# Altium PCB SOM Board with RK3399.PcbDoc (part 4 of 5) (continued)
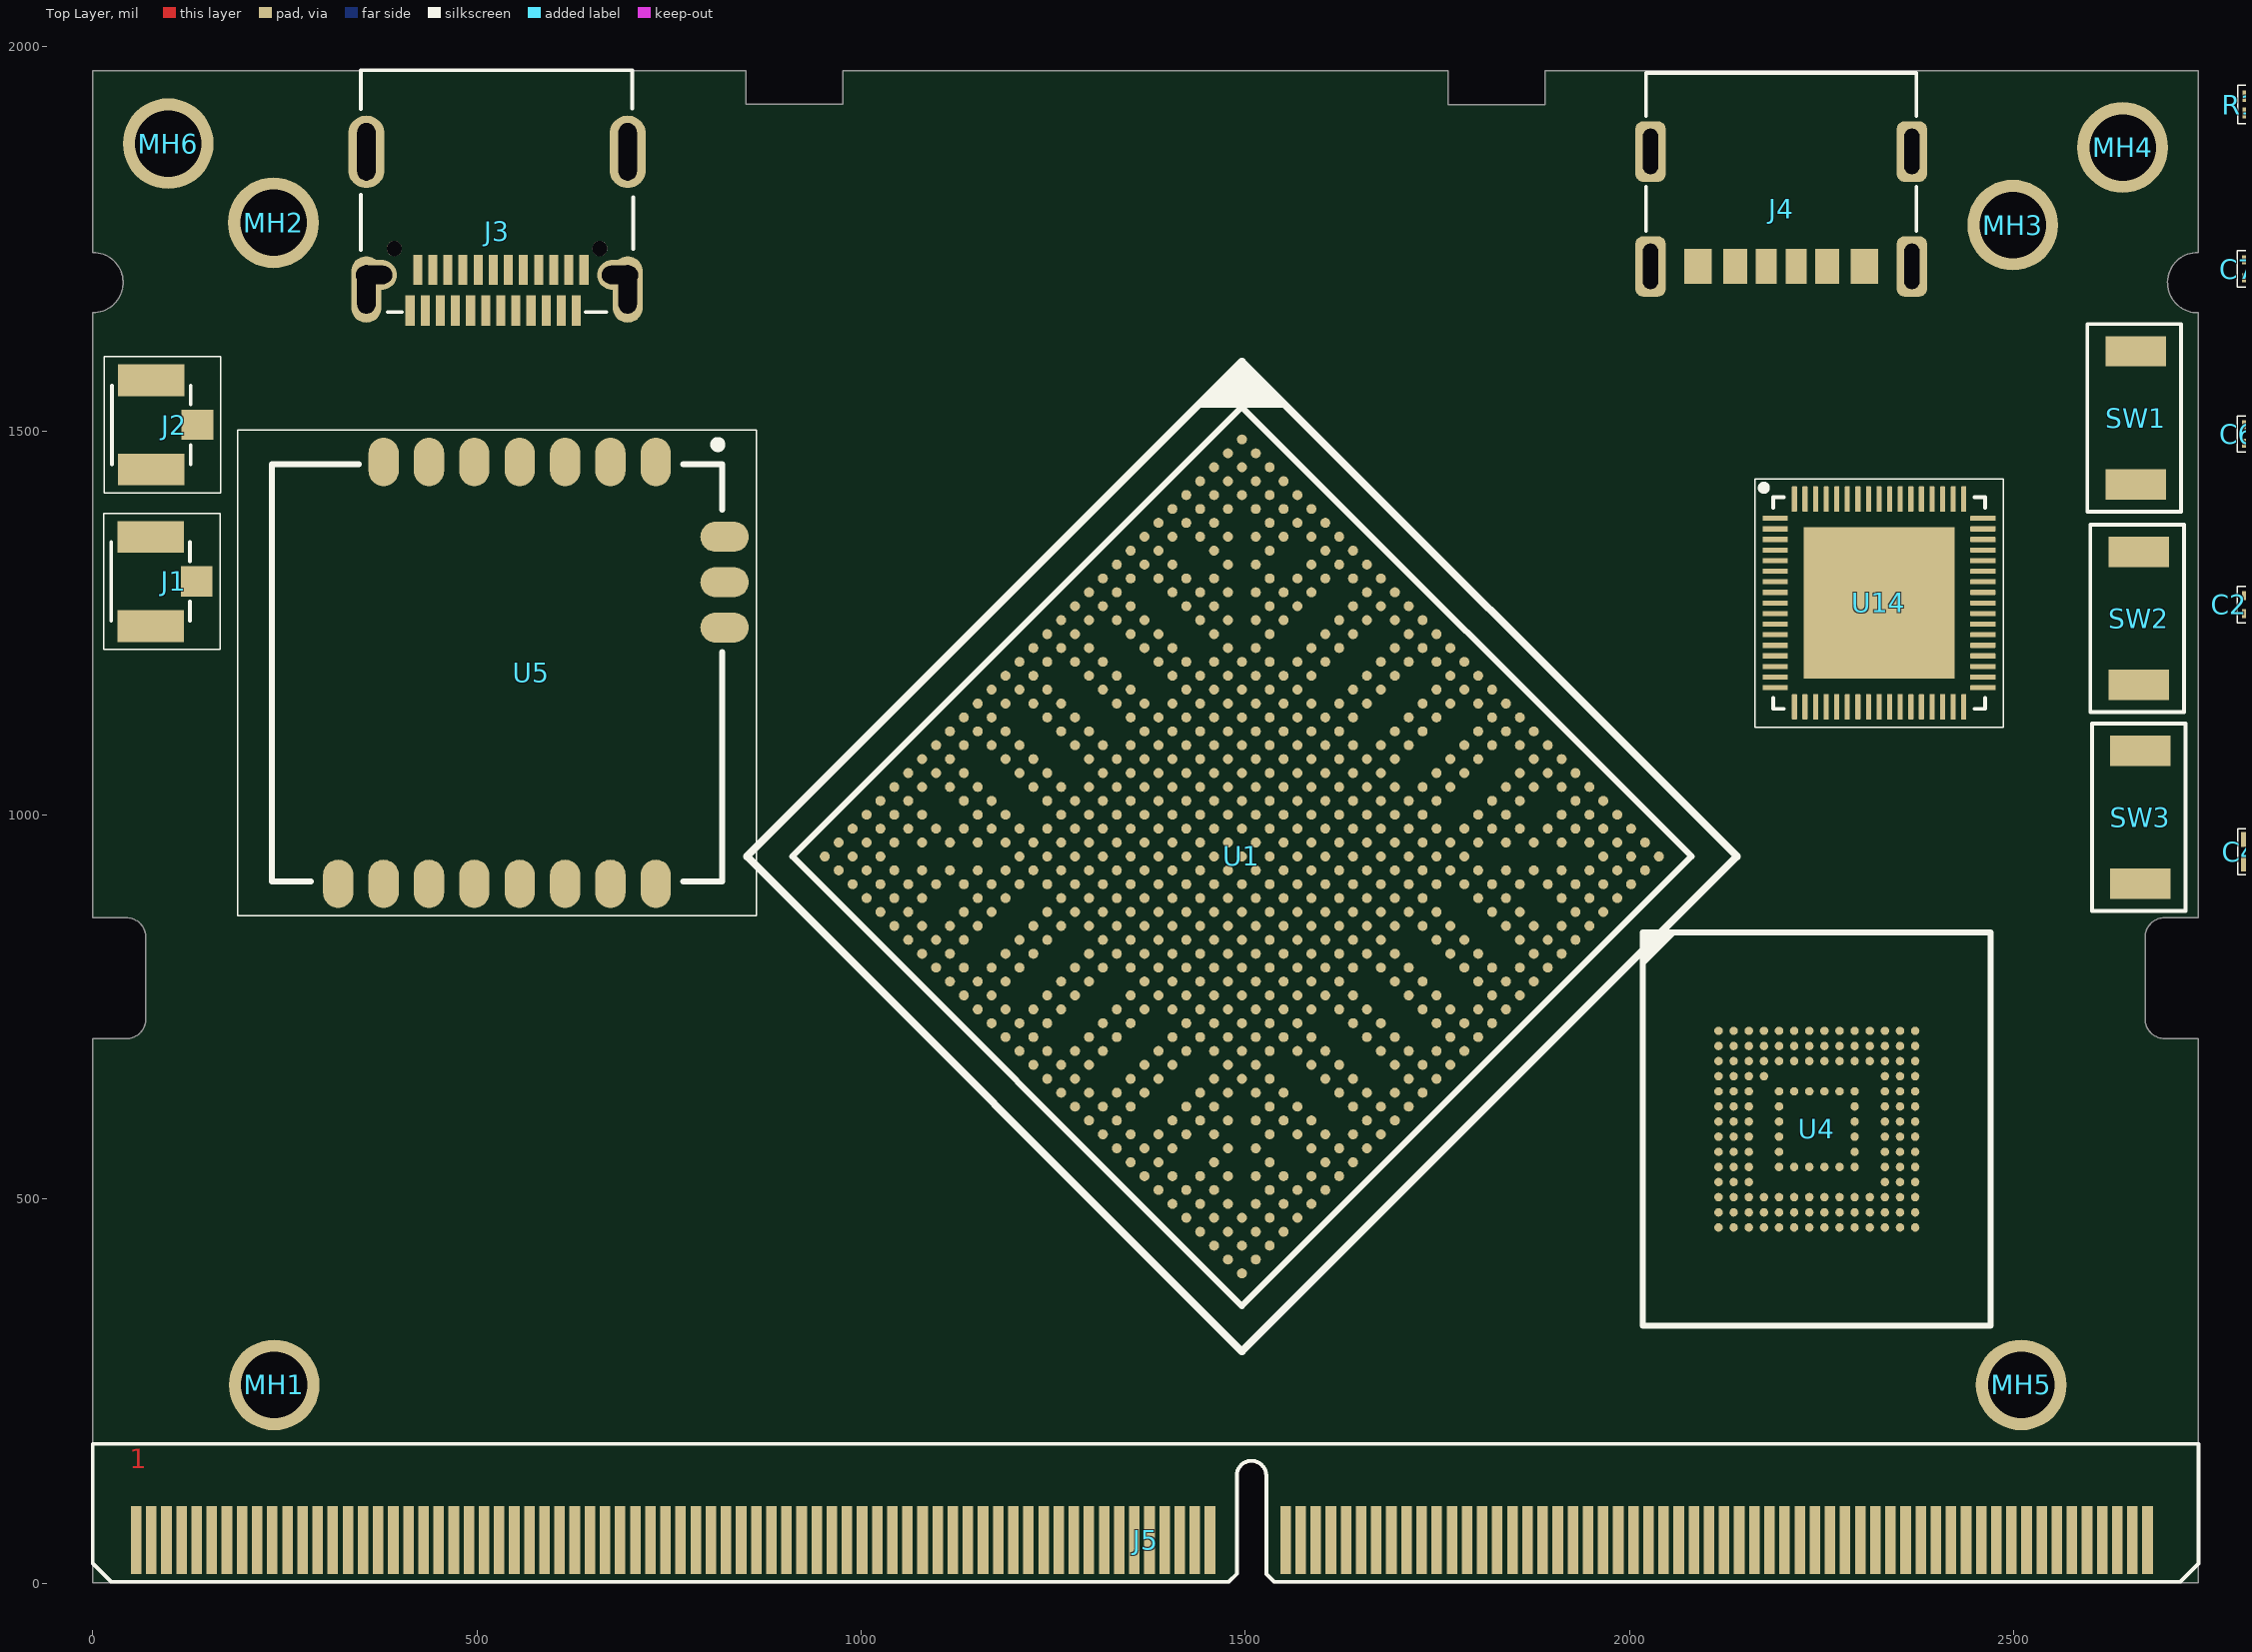
[diagram p0: Top Layer view]
## Free pads (board coordinates) (continued)
1(2460.54,11.96) 1(2460.54,11.96) 1(2460.54,100.96) 1(2460.54,100.96) 1(2474.54,11.96) 1(2474.54,11.96) 1(2474.54,100.96) 1(2474.54,100.96) 1(2480.23,11.96) 1(2480.23,11.96) 1(2480.23,100.96) 1(2480.23,100.96) 1(2494.23,11.96) 1(2494.23,11.96) 1(2494.23,100.96) 1(2494.23,100.96) 1(2499.91,11.96) 1(2499.91,11.96) 1(2499.91,100.96) 1(2499.91,100.96) 1(2513.91,11.96) 1(2513.91,11.96) 1(2513.91,100.96) 1(2513.91,100.96) 1(2519.6,11.96) 1(2519.6,11.96) 1(2519.6,100.96) 1(2519.6,100.96) 1(2533.6,11.96) 1(2533.6,11.96) 1(2533.6,100.96) 1(2533.6,100.96) 1(2539.28,11.96) 1(2539.28,11.96) 1(2539.28,100.96) 1(2539.28,100.96) 1(2544.31,1181.28) 1(2544.31,1181.28) 1(2544.31,1204.9) 1(2544.31,1204.9) 1(2544.31,1218.68) 1(2544.31,1218.68) 1(2544.31,1277.73) 1(2544.31,1277.73) 1(2544.31,1289.54) 1(2544.31,1289.54) 1(2544.31,1336.79) 1(2544.31,1336.79) 1(2544.31,1348.6) 1(2544.31,1348.6) 1(2544.31,1407.65) 1(2544.31,1407.65) 1(2544.31,1421.43) 1(2544.31,1421.43) 1(2544.31,1445.06) 1(2544.31,1445.06) 1(2545.31,570.28) 1(2545.31,570.28) 1(2545.31,593.9) 1(2545.31,593.9) 1(2545.31,810.43) 1(2545.31,810.43) 1(2545.31,834.06) 1(2545.31,834.06) 1(2545.31,607.68) 1(2545.31,607.68) 1(2545.31,666.73) 1(2545.31,666.73) 1(2545.31,678.54) 1(2545.31,678.54) 1(2545.31,725.79) 1(2545.31,725.79) 1(2545.31,737.6) 1(2545.31,737.6) 1(2545.31,796.65) 1(2545.31,796.65) 1(2553.28,11.96) 1(2553.28,11.96) 1(2553.28,100.96) 1(2553.28,100.96) 1(2558.97,11.96) 1(2558.97,11.96) 1(2558.97,100.96) 1(2558.97,100.96) 1(2563.02,1870.24) 1(2572.97,11.96) 1(2572.97,11.96) 1(2572.97,100.96) 1(2572.97,100.96) 1(2578.65,11.96) 1(2578.65,11.96) 1(2578.65,100.96) 1(2578.65,100.96) 1(2579.74,1181.28) 1(2579.74,1181.28) 1(2579.74,1204.9) 1(2579.74,1204.9) 1(2579.74,1218.68) 1(2579.74,1218.68) 1(2579.74,1277.73) 1(2579.74,1277.73) 1(2579.74,1289.54) 1(2579.74,1289.54) 1(2579.74,1336.79) 1(2579.74,1336.79) 1(2579.74,1348.6) 1(2579.74,1348.6) 1(2579.74,1407.65) 1(2579.74,1407.65) 1(2579.74,1421.43) 1(2579.74,1421.43) 1(2579.74,1445.06) 1(2579.74,1445.06) 1(2580.74,570.28) 1(2580.74,570.28) 1(2580.74,593.9) 1(2580.74,593.9) 1(2580.74,810.43) 1(2580.74,810.43) 1(2580.74,834.06) 1(2580.74,834.06) 1(2580.74,607.68) 1(2580.74,607.68) 1(2580.74,666.73) 1(2580.74,666.73) 1(2580.74,678.54) 1(2580.74,678.54) 1(2580.74,725.79) 1(2580.74,725.79) 1(2580.74,737.6) 1(2580.74,737.6) 1(2580.74,796.65) 1(2580.74,796.65) 1(2582.66,1771.47) 1(2592.65,11.96) 1(2592.65,11.96) 1(2592.65,100.96) 1(2592.65,100.96) 1(2598.34,11.96) 1(2598.34,11.96) 1(2598.34,100.96) 1(2598.34,100.96) 1(2607.02,1733.17) 1(2612.34,11.96) 1(2612.34,11.96) 1(2612.34,100.96) 1(2612.34,100.96) 1(2618.02,11.96) 1(2618.02,11.96) 1(2618.02,100.96) 1(2618.02,100.96) 1(2624.02,417.17) 1(2626.01,236.39) 1(2632.02,11.96) 1(2632.02,11.96) 1(2632.02,100.96) 1(2632.02,100.96) 1(2637.71,11.96) 1(2637.71,11.96) 1(2637.71,100.96) 1(2637.71,100.96) 1(2651.71,11.96) 1(2651.71,11.96) 1(2651.71,100.96) 1(2651.71,100.96) 1(2657.02,1733.17) 1(2657.39,11.96) 1(2657.39,11.96) 1(2657.39,100.96) 1(2657.39,100.96) 1(2671.39,11.96) 1(2671.39,11.96) 1(2671.39,100.96) 1(2671.39,100.96) 1(2674.02,417.17) 1(2677.08,11.96) 1(2677.08,11.96) 1(2677.08,100.96) 1(2677.08,100.96) 1(2691.08,11.96) 1(2691.08,11.96) 1(2691.08,100.96) 1(2691.08,100.96) 1(2696.87,236.39) 1(2720.5,1870.24)
  round 0.5 on Mech5: 1(19.15,1870.24) 1(43.02,370.17) 1(43.33,236.39) 1(49.13,11.96) 1(49.13,11.96) 1(49.13,100.96) 1(49.13,100.96) 1(63.13,11.96) 1(63.13,11.96) 1(63.13,100.96) 1(63.13,100.96) 1(68.81,11.96) 1(68.81,11.96) 1(68.81,100.96) 1(68.81,100.96) 1(82.81,11.96) 1(82.81,11.96) 1(82.81,100.96) 1(82.81,100.96) 1(87.02,1728.17) 1(88.5,11.96) 1(88.5,11.96) 1(88.5,100.96) 1(88.5,100.96) 1(93.02,370.17) 1(102.5,11.96) 1(102.5,11.96) 1(102.5,100.96) 1(102.5,100.96) 1(108.18,11.96) 1(108.18,11.96) 1(108.18,100.96) 1(108.18,100.96) 1(114.2,236.39) 1(122.18,11.96) 1(122.18,11.96) 1(122.18,100.96) 1(122.18,100.96) 1(127.87,11.96) 1(127.87,11.96) 1(127.87,100.96) 1(127.87,100.96) 1(137.02,1728.17) 1(141.87,11.96) 1(141.87,11.96) 1(141.87,100.96) 1(141.87,100.96) 1(147.55,11.96) 1(147.55,11.96) 1(147.55,100.96) 1(147.55,100.96) 1(157.48,244.07) 1(157.48,1771.87) 1(161.55,11.96) 1(161.55,11.96) 1(161.55,100.96) 1(161.55,100.96) 1(167.24,11.96) 1(167.24,11.96) 1(167.24,100.96) 1(167.24,100.96) 1(176.63,1870.24) 1(181.24,11.96) 1(181.24,11.96) 1(181.24,100.96) 1(181.24,100.96) 1(186.92,11.96) 1(186.92,11.96) 1(186.92,100.96) 1(186.92,100.96) 1(200.92,11.96) 1(200.92,11.96) 1(200.92,100.96) 1(200.92,100.96) 1(206.61,11.96) 1(206.61,11.96) 1(206.61,100.96) 1(206.61,100.96) 1(220.61,11.96) 1(220.61,11.96) 1(220.61,100.96) 1(220.61,100.96) 1(226.29,11.96) 1(226.29,11.96) 1(226.29,100.96) 1(226.29,100.96) 1(240.29,11.96) 1(240.29,11.96) 1(240.29,100.96) 1(240.29,100.96) 1(245.98,11.96) 1(245.98,11.96) 1(245.98,100.96) 1(245.98,100.96) 1(259.98,11.96) 1(259.98,11.96) 1(259.98,100.96) 1(259.98,100.96) 1(265.66,11.96) 1(265.66,11.96) 1(265.66,100.96) 1(265.66,100.96) 1(279.66,11.96) 1(279.66,11.96) 1(279.66,100.96) 1(279.66,100.96) 1(285.35,11.96) 1(285.35,11.96) 1(285.35,100.96) 1(285.35,100.96) 1(299.35,11.96) 1(299.35,11.96) 1(299.35,100.96) 1(299.35,100.96) 1(305.03,11.96) 1(305.03,11.96) 1(305.03,100.96) 1(305.03,100.96) 1(314.96,244.07) 1(314.96,1771.87) 1(319.03,11.96) 1(319.03,11.96) 1(319.03,100.96) 1(319.03,100.96) 1(324.72,11.96) 1(324.72,11.96) 1(324.72,100.96) 1(324.72,100.96) 1(338.72,11.96) 1(338.72,11.96) 1(338.72,100.96) 1(338.72,100.96) 1(344.4,11.96) 1(344.4,11.96) 1(344.4,100.96) 1(344.4,100.96) 1(358.4,11.96) 1(358.4,11.96) 1(358.4,100.96) 1(358.4,100.96) 1(364.09,11.96) 1(364.09,11.96) 1(364.09,100.96) 1(364.09,100.96) 1(378.09,11.96) 1(378.09,11.96) 1(378.09,100.96) 1(378.09,100.96) 1(383.77,11.96) 1(383.77,11.96) 1(383.77,100.96) 1(383.77,100.96) 1(397.77,11.96) 1(397.77,11.96) 1(397.77,100.96) 1(397.77,100.96) 1(403.46,11.96) 1(403.46,11.96) 1(403.46,100.96) 1(403.46,100.96) 1(417.46,11.96) 1(417.46,11.96) 1(417.46,100.96) 1(417.46,100.96) 1(423.14,11.96) 1(423.14,11.96) 1(423.14,100.96) 1(423.14,100.96) 1(437.14,11.96) 1(437.14,11.96) 1(437.14,100.96) 1(437.14,100.96) 1(442.83,11.96) 1(442.83,11.96) 1(442.83,100.96) 1(442.83,100.96) 1(456.83,11.96) 1(456.83,11.96) 1(456.83,100.96) 1(456.83,100.96) 1(462.51,11.96) 1(462.51,11.96) 1(462.51,100.96) 1(462.51,100.96) 1(476.51,11.96) 1(476.51,11.96) 1(476.51,100.96) 1(476.51,100.96) 1(482.2,11.96) 1(482.2,11.96) 1(482.2,100.96) 1(482.2,100.96) 1(496.2,11.96) 1(496.2,11.96) 1(496.2,100.96) 1(496.2,100.96) 1(501.88,11.96) 1(501.88,11.96) 1(501.88,100.96) 1(501.88,100.96) 1(515.88,11.96) 1(515.88,11.96) 1(515.88,100.96) 1(515.88,100.96) 1(521.57,11.96) 1(521.57,11.96) 1(521.57,100.96) 1(521.57,100.96) 1(535.57,11.96) 1(535.57,11.96) 1(535.57,100.96) 1(535.57,100.96) 1(541.25,11.96) 1(541.25,11.96) 1(541.25,100.96) 1(541.25,100.96) 1(555.25,11.96) 1(555.25,11.96) 1(555.25,100.96) 1(555.25,100.96) 1(560.94,11.96) 1(560.94,11.96) 1(560.94,100.96) 1(560.94,100.96) 1(574.94,11.96) 1(574.94,11.96) 1(574.94,100.96) 1(574.94,100.96) 1(580.62,11.96) 1(580.62,11.96) 1(580.62,100.96) 1(580.62,100.96) 1(594.62,11.96) 1(594.62,11.96) 1(594.62,100.96) 1(594.62,100.96) 1(600.31,11.96) 1(600.31,11.96) 1(600.31,100.96) 1(600.31,100.96) 1(614.31,11.96) 1(614.31,11.96) 1(614.31,100.96) 1(614.31,100.96) 1(619.99,11.96) 1(619.99,11.96) 1(619.99,100.96) 1(619.99,100.96) 1(633.99,11.96) 1(633.99,11.96) 1(633.99,100.96) 1(633.99,100.96) 1(639.68,11.96) 1(639.68,11.96) 1(639.68,100.96) 1(639.68,100.96) 1(653.68,11.96) 1(653.68,11.96) 1(653.68,100.96) 1(653.68,100.96) 1(659.36,11.96) 1(659.36,11.96) 1(659.36,100.96) 1(659.36,100.96) 1(673.36,11.96) 1(673.36,11.96) 1(673.36,100.96) 1(673.36,100.96) 1(679.05,11.96) 1(679.05,11.96) 1(679.05,100.96) 1(679.05,100.96) 1(693.05,11.96) 1(693.05,11.96) 1(693.05,100.96) 1(693.05,100.96) 1(698.73,11.96) 1(698.73,11.96) 1(698.73,100.96) 1(698.73,100.96) 1(712.73,11.96) 1(712.73,11.96) 1(712.73,100.96) 1(712.73,100.96) 1(718.42,11.96) 1(718.42,11.96) 1(718.42,100.96) 1(718.42,100.96) 1(732.42,11.96) 1(732.42,11.96) 1(732.42,100.96) 1(732.42,100.96) 1(738.1,11.96) 1(738.1,11.96) 1(738.1,100.96) 1(738.1,100.96) 1(752.1,11.96) 1(752.1,11.96) 1(752.1,100.96) 1(752.1,100.96) 1(757.79,11.96) 1(757.79,11.96) 1(757.79,100.96) 1(757.79,100.96) 1(771.79,11.96) 1(771.79,11.96) 1(771.79,100.96) 1(771.79,100.96) 1(777.47,11.96) 1(777.47,11.96) 1(777.47,100.96) 1(777.47,100.96) 1(791.47,11.96) 1(791.47,11.96) 1(791.47,100.96) 1(791.47,100.96) 1(797.16,11.96) 1(797.16,11.96) 1(797.16,100.96) 1(797.16,100.96) 1(811.16,11.96) 1(811.16,11.96) 1(811.16,100.96) 1(811.16,100.96) 1(816.84,11.96) 1(816.84,11.96) 1(816.84,100.96) 1(816.84,100.96) 1(830.84,11.96) 1(830.84,11.96) 1(830.84,100.96) 1(830.84,100.96) 1(836.53,11.96) 1(836.53,11.96) 1(836.53,100.96) 1(836.53,100.96) 1(850.53,11.96) 1(850.53,11.96) 1(850.53,100.96) 1(850.53,100.96) 1(856.21,11.96) 1(856.21,11.96) 1(856.21,100.96) 1(856.21,100.96) 1(870.21,11.96) 1(870.21,11.96) 1(870.21,100.96) 1(870.21,100.96) 1(875.9,11.96) 1(875.9,11.96) 1(875.9,100.96) 1(875.9,100.96) 1(889.9,11.96) 1(889.9,11.96) 1(889.9,100.96) 1(889.9,100.96) 1(895.58,11.96) 1(895.58,11.96) 1(895.58,100.96) 1(895.58,100.96) 1(909.58,11.96) 1(909.58,11.96) 1(909.58,100.96) 1(909.58,100.96) 1(915.27,11.96) 1(915.27,11.96) 1(915.27,100.96) 1(915.27,100.96) 1(929.27,11.96) 1(929.27,11.96) 1(929.27,100.96) 1(929.27,100.96) 1(934.95,11.96) 1(934.95,11.96) 1(934.95,100.96) 1(934.95,100.96) 1(948.95,11.96) 1(948.95,11.96) 1(948.95,100.96) 1(948.95,100.96) 1(954.64,11.96) 1(954.64,11.96) 1(954.64,100.96) 1(954.64,100.96) 1(968.64,11.96) 1(968.64,11.96) 1(968.64,100.96) 1(968.64,100.96) 1(974.32,11.96) 1(974.32,11.96) 1(974.32,100.96) 1(974.32,100.96) 1(988.32,11.96) 1(988.32,11.96) 1(988.32,100.96) 1(988.32,100.96) 1(994.01,11.96) 1(994.01,11.96) 1(994.01,100.96) 1(994.01,100.96) 1(1008.01,11.96) 1(1008.01,11.96) 1(1008.01,100.96) 1(1008.01,100.96) 1(1013.69,11.96) 1(1013.69,11.96) 1(1013.69,100.96) 1(1013.69,100.96) 1(1027.69,11.96) 1(1027.69,11.96) 1(1027.69,100.96) 1(1027.69,100.96) 1(1033.38,11.96) 1(1033.38,11.96) 1(1033.38,100.96) 1(1033.38,100.96) 1(1047.38,11.96) 1(1047.38,11.96) 1(1047.38,100.96) 1(1047.38,100.96) 1(1053.06,11.96) 1(1053.06,11.96) 1(1053.06,100.96) 1(1053.06,100.96) 1(1067.06,11.96) 1(1067.06,11.96) 1(1067.06,100.96) 1(1067.06,100.96) 1(1072.75,11.96) 1(1072.75,11.96) 1(1072.75,100.96) 1(1072.75,100.96) 1(1086.75,11.96) 1(1086.75,11.96) 1(1086.75,100.96) 1(1086.75,100.96) 1(1092.43,11.96) 1(1092.43,11.96) 1(1092.43,100.96) 1(1092.43,100.96) 1(1106.43,11.96) 1(1106.43,11.96) 1(1106.43,100.96) 1(1106.43,100.96) 1(1112.12,11.96) 1(1112.12,11.96) 1(1112.12,100.96) 1(1112.12,100.96) 1(1126.12,11.96) 1(1126.12,11.96) 1(1126.12,100.96) 1(1126.12,100.96) 1(1131.8,11.96) 1(1131.8,11.96) 1(1131.8,100.96) 1(1131.8,100.96) 1(1145.8,11.96) 1(1145.8,11.96) 1(1145.8,100.96) 1(1145.8,100.96) 1(1151.49,11.96) 1(1151.49,11.96) 1(1151.49,100.96) 1(1151.49,100.96) 1(1165.49,11.96) 1(1165.49,11.96) 1(1165.49,100.96) 1(1165.49,100.96) 1(1171.17,11.96) 1(1171.17,11.96) 1(1171.17,100.96) 1(1171.17,100.96) 1(1185.17,11.96) 1(1185.17,11.96) 1(1185.17,100.96) 1(1185.17,100.96) 1(1190.86,11.96) 1(1190.86,11.96) 1(1190.86,100.96) 1(1190.86,100.96) 1(1204.86,11.96) 1(1204.86,11.96) 1(1204.86,100.96) 1(1204.86,100.96) 1(1210.54,11.96) 1(1210.54,11.96) 1(1210.54,100.96) 1(1210.54,100.96) 1(1224.54,11.96) 1(1224.54,11.96) 1(1224.54,100.96) 1(1224.54,100.96) 1(1230.23,11.96) 1(1230.23,11.96) 1(1230.23,100.96) 1(1230.23,100.96) 1(1244.23,11.96) 1(1244.23,11.96) 1(1244.23,100.96) 1(1244.23,100.96) 1(1249.91,11.96) 1(1249.91,11.96) 1(1249.91,100.96) 1(1249.91,100.96) 1(1263.91,11.96) 1(1263.91,11.96) 1(1263.91,100.96) 1(1263.91,100.96) 1(1269.6,11.96) 1(1269.6,11.96) 1(1269.6,100.96) 1(1269.6,100.96) 1(1283.6,11.96) 1(1283.6,11.96) 1(1283.6,100.96) 1(1283.6,100.96) 1(1289.28,11.96) 1(1289.28,11.96) 1(1289.28,100.96) 1(1289.28,100.96) 1(1303.28,11.96) 1(1303.28,11.96) 1(1303.28,100.96) 1(1303.28,100.96) 1(1308.97,11.96) 1(1308.97,11.96) 1(1308.97,100.96) 1(1308.97,100.96) 1(1322.97,11.96) 1(1322.97,11.96) 1(1322.97,100.96) 1(1322.97,100.96) 1(1328.65,11.96) 1(1328.65,11.96) 1(1328.65,100.96) 1(1328.65,100.96) 1(1342.65,11.96) 1(1342.65,11.96) 1(1342.65,100.96) 1(1342.65,100.96) 1(1348.34,11.96) 1(1348.34,11.96) 1(1348.34,100.96) 1(1348.34,100.96) 1(1362.34,11.96) 1(1362.34,11.96) 1(1362.34,100.96) 1(1362.34,100.96) 1(1368.02,11.96) 1(1368.02,11.96) 1(1368.02,100.96) 1(1368.02,100.96) 1(1382.02,11.96) 1(1382.02,11.96) 1(1382.02,100.96) 1(1382.02,100.96) 1(1387.71,11.96) 1(1387.71,11.96) 1(1387.71,100.96) 1(1387.71,100.96) 1(1401.71,11.96) 1(1401.71,11.96) 1(1401.71,100.96) 1(1401.71,100.96) 1(1407.39,11.96) 1(1407.39,11.96) 1(1407.39,100.96) 1(1407.39,100.96) 1(1421.39,11.96) 1(1421.39,11.96) 1(1421.39,100.96) 1(1421.39,100.96) 1(1427.08,11.96) 1(1427.08,11.96) 1(1427.08,100.96) 1(1427.08,100.96) 1(1441.08,11.96) 1(1441.08,11.96) 1(1441.08,100.96) 1(1441.08,100.96) 1(1446.76,11.96) 1(1446.76,11.96) 1(1446.76,100.96) 1(1446.76,100.96) 1(1460.76,11.96) 1(1460.76,11.96) 1(1460.76,100.96) 1(1460.76,100.96) 1(1545.19,11.96) 1(1545.19,11.96) 1(1545.19,100.96) 1(1545.19,100.96) 1(1559.19,11.96) 1(1559.19,11.96) 1(1559.19,100.96) 1(1559.19,100.96) 1(1564.87,11.96) 1(1564.87,11.96) 1(1564.87,100.96) 1(1564.87,100.96) 1(1578.87,11.96) 1(1578.87,11.96) 1(1578.87,100.96) 1(1578.87,100.96) 1(1584.56,11.96) 1(1584.56,11.96) 1(1584.56,100.96) 1(1584.56,100.96) 1(1598.56,11.96) 1(1598.56,11.96) 1(1598.56,100.96) 1(1598.56,100.96) 1(1604.24,11.96) 1(1604.24,11.96) 1(1604.24,100.96) 1(1604.24,100.96) 1(1618.24,11.96) 1(1618.24,11.96) 1(1618.24,100.96) 1(1618.24,100.96) 1(1623.93,11.96) 1(1623.93,11.96) 1(1623.93,100.96) 1(1623.93,100.96) 1(1637.93,11.96) 1(1637.93,11.96) 1(1637.93,100.96) 1(1637.93,100.96) 1(1643.61,11.96) 1(1643.61,11.96) 1(1643.61,100.96) 1(1643.61,100.96) 1(1657.61,11.96) 1(1657.61,11.96) 1(1657.61,100.96) 1(1657.61,100.96) 1(1663.3,11.96) 1(1663.3,11.96) 1(1663.3,100.96) 1(1663.3,100.96) 1(1677.3,11.96) 1(1677.3,11.96) 1(1677.3,100.96) 1(1677.3,100.96) 1(1682.98,11.96) 1(1682.98,11.96) 1(1682.98,100.96) 1(1682.98,100.96) 1(1696.98,11.96) 1(1696.98,11.96) 1(1696.98,100.96) 1(1696.98,100.96) 1(1702.67,11.96) 1(1702.67,11.96) 1(1702.67,100.96) 1(1702.67,100.96) 1(1716.67,11.96) 1(1716.67,11.96) 1(1716.67,100.96) 1(1716.67,100.96) 1(1722.35,11.96) 1(1722.35,11.96) 1(1722.35,100.96) 1(1722.35,100.96) 1(1736.35,11.96) 1(1736.35,11.96) 1(1736.35,100.96) 1(1736.35,100.96) 1(1742.04,11.96) 1(1742.04,11.96) 1(1742.04,100.96) 1(1742.04,100.96) 1(1756.04,11.96) 1(1756.04,11.96) 1(1756.04,100.96) 1(1756.04,100.96) 1(1761.72,11.96) 1(1761.72,11.96) 1(1761.72,100.96) 1(1761.72,100.96) 1(1775.72,11.96) 1(1775.72,11.96) 1(1775.72,100.96) 1(1775.72,100.96) 1(1781.41,11.96) 1(1781.41,11.96) 1(1781.41,100.96) 1(1781.41,100.96) 1(1795.41,11.96) 1(1795.41,11.96) 1(1795.41,100.96) 1(1795.41,100.96) 1(1801.09,11.96) 1(1801.09,11.96) 1(1801.09,100.96) 1(1801.09,100.96) 1(1815.09,11.96) 1(1815.09,11.96) 1(1815.09,100.96) 1(1815.09,100.96) 1(1820.78,11.96) 1(1820.78,11.96) 1(1820.78,100.96) 1(1820.78,100.96) 1(1834.78,11.96) 1(1834.78,11.96) 1(1834.78,100.96) 1(1834.78,100.96) 1(1840.46,11.96) 1(1840.46,11.96) 1(1840.46,100.96) 1(1840.46,100.96) 1(1854.46,11.96) 1(1854.46,11.96) 1(1854.46,100.96) 1(1854.46,100.96) 1(1860.15,11.96) 1(1860.15,11.96) 1(1860.15,100.96) 1(1860.15,100.96) 1(1874.15,11.96) 1(1874.15,11.96) 1(1874.15,100.96) 1(1874.15,100.96) 1(1879.83,11.96) 1(1879.83,11.96) 1(1879.83,100.96) 1(1879.83,100.96) 1(1893.83,11.96) 1(1893.83,11.96) 1(1893.83,100.96) 1(1893.83,100.96) 1(1899.52,11.96) 1(1899.52,11.96) 1(1899.52,100.96) 1(1899.52,100.96) 1(1913.52,11.96) 1(1913.52,11.96) 1(1913.52,100.96) 1(1913.52,100.96) 1(1919.2,11.96) 1(1919.2,11.96) 1(1919.2,100.96) 1(1919.2,100.96) 1(1933.2,11.96) 1(1933.2,11.96) 1(1933.2,100.96) 1(1933.2,100.96) 1(1938.89,11.96) 1(1938.89,11.96) 1(1938.89,100.96) 1(1938.89,100.96) 1(1952.89,11.96) 1(1952.89,11.96) 1(1952.89,100.96) 1(1952.89,100.96) 1(1958.57,11.96) 1(1958.57,11.96) 1(1958.57,100.96) 1(1958.57,100.96) 1(1972.57,11.96) 1(1972.57,11.96) 1(1972.57,100.96) 1(1972.57,100.96) 1(1978.26,11.96) 1(1978.26,11.96) 1(1978.26,100.96) 1(1978.26,100.96) 1(1992.26,11.96) 1(1992.26,11.96) 1(1992.26,100.96) 1(1992.26,100.96) 1(1997.94,11.96) 1(1997.94,11.96) 1(1997.94,100.96) 1(1997.94,100.96) 1(2011.94,11.96) 1(2011.94,11.96) 1(2011.94,100.96) 1(2011.94,100.96) 1(2017.63,11.96) 1(2017.63,11.96) 1(2017.63,100.96) 1(2017.63,100.96) 1(2031.63,11.96) 1(2031.63,11.96) 1(2031.63,100.96) 1(2031.63,100.96) 1(2037.31,11.96) 1(2037.31,11.96) 1(2037.31,100.96) 1(2037.31,100.96) 1(2051.31,11.96) 1(2051.31,11.96) 1(2051.31,100.96) 1(2051.31,100.96) 1(2057,11.96) 1(2057,11.96) 1(2057,100.96) 1(2057,100.96) 1(2071,11.96) 1(2071,11.96) 1(2071,100.96) 1(2071,100.96) 1(2076.68,11.96) 1(2076.68,11.96) 1(2076.68,100.96) 1(2076.68,100.96) 1(2090.68,11.96) 1(2090.68,11.96) 1(2090.68,100.96) 1(2090.68,100.96) 1(2096.37,11.96) 1(2096.37,11.96) 1(2096.37,100.96) 1(2096.37,100.96) 1(2110.37,11.96) 1(2110.37,11.96) 1(2110.37,100.96) 1(2110.37,100.96) 1(2116.05,11.96) 1(2116.05,11.96) 1(2116.05,100.96) 1(2116.05,100.96) 1(2130.05,11.96) 1(2130.05,11.96) 1(2130.05,100.96) 1(2130.05,100.96) 1(2135.74,11.96) 1(2135.74,11.96) 1(2135.74,100.96) 1(2135.74,100.96) 1(2149.74,11.96) 1(2149.74,11.96) 1(2149.74,100.96) 1(2149.74,100.96) 1(2155.43,11.96) 1(2155.43,11.96) 1(2155.43,100.96) 1(2155.43,100.96) 1(2169.43,11.96) 1(2169.43,11.96) 1(2169.43,100.96) 1(2169.43,100.96) 1(2175.11,11.96) 1(2175.11,11.96) 1(2175.11,100.96) 1(2175.11,100.96) 1(2189.11,11.96) 1(2189.11,11.96) 1(2189.11,100.96) 1(2189.11,100.96) 1(2194.8,11.96) 1(2194.8,11.96) 1(2194.8,100.96) 1(2194.8,100.96) 1(2208.8,11.96) 1(2208.8,11.96) 1(2208.8,100.96) 1(2208.8,100.96) 1(2214.48,11.96) 1(2214.48,11.96) 1(2214.48,100.96) 1(2214.48,100.96) 1(2228.48,11.96) 1(2228.48,11.96) 1(2228.48,100.96) 1(2228.48,100.96) 1(2234.17,11.96) 1(2234.17,11.96) 1(2234.17,100.96) 1(2234.17,100.96) 1(2248.17,11.96) 1(2248.17,11.96) 1(2248.17,100.96) 1(2248.17,100.96) 1(2253.85,11.96) 1(2253.85,11.96) 1(2253.85,100.96) 1(2253.85,100.96) 1(2267.85,11.96) 1(2267.85,11.96) 1(2267.85,100.96) 1(2267.85,100.96) 1(2273.54,11.96) 1(2273.54,11.96) 1(2273.54,100.96) 1(2273.54,100.96) 1(2287.54,11.96) 1(2287.54,11.96) 1(2287.54,100.96) 1(2287.54,100.96) 1(2293.22,11.96) 1(2293.22,11.96) 1(2293.22,100.96) 1(2293.22,100.96) 1(2307.22,11.96) 1(2307.22,11.96) 1(2307.22,100.96) 1(2307.22,100.96) 1(2312.91,11.96) 1(2312.91,11.96) 1(2312.91,100.96) 1(2312.91,100.96) 1(2326.91,11.96) 1(2326.91,11.96) 1(2326.91,100.96) 1(2326.91,100.96) 1(2332.59,11.96) 1(2332.59,11.96) 1(2332.59,100.96) 1(2332.59,100.96) 1(2346.59,11.96) 1(2346.59,11.96) 1(2346.59,100.96) 1(2346.59,100.96) 1(2352.28,11.96) 1(2352.28,11.96) 1(2352.28,100.96) 1(2352.28,100.96) 1(2366.28,11.96) 1(2366.28,11.96) 1(2366.28,100.96) 1(2366.28,100.96) 1(2371.96,11.96) 1(2371.96,11.96) 1(2371.96,100.96) 1(2371.96,100.96) 1(2385.96,11.96) 1(2385.96,11.96) 1(2385.96,100.96) 1(2385.96,100.96) 1(2391.65,11.96) 1(2391.65,11.96) 1(2391.65,100.96) 1(2391.65,100.96) 1(2405.65,11.96) 1(2405.65,11.96) 1(2405.65,100.96) 1(2405.65,100.96) 1(2411.33,11.96) 1(2411.33,11.96) 1(2411.33,100.96) 1(2411.33,100.96) 1(2425.18,1771.47) 1(2425.33,11.96) 1(2425.33,11.96) 1(2425.33,100.96) 1(2425.33,100.96) 1(2425.48,243.77) 1(2431.02,11.96) 1(2431.02,11.96) 1(2431.02,100.96) 1(2431.02,100.96) 1(2445.02,11.96) 1(2445.02,11.96) 1(2445.02,100.96) 1(2445.02,100.96) 1(2450.7,11.96) 1(2450.7,11.96) 1(2450.7,100.96) 1(2450.7,100.96) 1(2464.7,11.96) 1(2464.7,11.96) 1(2464.7,100.96) 1(2464.7,100.96) 1(2470.39,11.96) 1(2470.39,11.96) 1(2470.39,100.96) 1(2470.39,100.96) 1(2484.39,11.96) 1(2484.39,11.96) 1(2484.39,100.96) 1(2484.39,100.96) 1(2490.07,11.96) 1(2490.07,11.96) 1(2490.07,100.96) 1(2490.07,100.96) 1(2504.07,11.96) 1(2504.07,11.96) 1(2504.07,100.96) 1(2504.07,100.96) 1(2509.76,11.96) 1(2509.76,11.96) 1(2509.76,100.96) 1(2509.76,100.96) 1(2523.76,11.96) 1(2523.76,11.96) 1(2523.76,100.96) 1(2523.76,100.96) 1(2529.44,11.96) 1(2529.44,11.96) 1(2529.44,100.96) 1(2529.44,100.96) 1(2543.44,11.96) 1(2543.44,11.96) 1(2543.44,100.96) 1(2543.44,100.96) 1(2549.13,11.96) 1(2549.13,11.96) 1(2549.13,100.96) 1(2549.13,100.96) 1(2563.02,1870.24) 1(2563.13,11.96) 1(2563.13,11.96) 1(2563.13,100.96) 1(2563.13,100.96) 1(2568.81,11.96) 1(2568.81,11.96) 1(2568.81,100.96) 1(2568.81,100.96) 1(2582.66,1771.47) 1(2582.81,11.96) 1(2582.81,11.96) 1(2582.81,100.96) 1(2582.81,100.96) 1(2582.96,243.77) 1(2588.5,11.96) 1(2588.5,11.96) 1(2588.5,100.96) 1(2588.5,100.96) 1(2601.02,372.17) 1(2602.5,11.96) 1(2602.5,11.96) 1(2602.5,100.96) 1(2602.5,100.96) 1(2607.02,1734.17) 1(2608.18,11.96) 1(2608.18,11.96) 1(2608.18,100.96) 1(2608.18,100.96) 1(2622.18,11.96) 1(2622.18,11.96) 1(2622.18,100.96) 1(2622.18,100.96) 1(2626.01,236.39) 1(2627.87,11.96) 1(2627.87,11.96) 1(2627.87,100.96) 1(2627.87,100.96) 1(2641.87,11.96) 1(2641.87,11.96) 1(2641.87,100.96) 1(2641.87,100.96) 1(2647.55,11.96) 1(2647.55,11.96) 1(2647.55,100.96) 1(2647.55,100.96) 1(2651.02,372.17) 1(2657.02,1734.17) 1(2661.55,11.96) 1(2661.55,11.96) 1(2661.55,100.96) 1(2661.55,100.96) 1(2667.24,11.96) 1(2667.24,11.96) 1(2667.24,100.96) 1(2667.24,100.96) 1(2681.24,11.96) 1(2681.24,11.96) 1(2681.24,100.96) 1(2681.24,100.96) 1(2696.87,236.39) 1(2720.5,1870.24)
  round 50.5 on Mech5: 1(68.02,370.17) 1(112.02,1728.17) 1(2626.02,372.17) 1(2632.02,1734.17)
  round 71.37 on Mech4: 1(78.76,236.39) 1(2661.44,236.39)
  round 71.37 on Mech5: 1(78.76,236.39) 1(2661.44,236.39)
  round 50.5 on Mech4: 1(82.02,360.17) 1(122.02,1681.17) 1(2632.02,1733.17) 1(2649.02,417.17)
  round 157.98 on Mech4: 1(97.89,1870.24) 1(236.22,244.07) 1(236.22,1771.87) 1(2503.92,1771.47) 1(2641.76,1870.24)
  round 157.98 on Mech5: 1(97.89,1870.24) 1(236.22,244.07) 1(236.22,1771.87) 1(2503.92,1771.47) 1(2504.22,243.77) 1(2641.76,1870.24)
  round 0.5 on Mech7: 1(158.02,169.17) 1(158.02,169.17) 1(158.02,1276.17) 1(158.02,1276.17) 1(158.02,1332.17) 1(158.02,1332.17) 1(158.02,1479.17) 1(158.02,1479.17) 1(159.02,1331.17) 1(159.02,1331.17) 1(159.02,1535.17) 1(159.02,1535.17) 1(159.02,1947.17) 1(159.02,1947.17) 1(163.02,164.17) 1(163.02,164.17) 1(169.02,1251.17) 1(169.02,1251.17) 1(180.02,1231.17) 1(180.02,1231.17) 1(197.02,361.17) 1(197.02,361.17) 1(197.02,1214.17) 1(197.02,1214.17) 1(197.02,1305.17) 1(197.02,1305.17) 1(197.02,1456.17) 1(197.02,1456.17) 1(198.02,1525.17) 1(198.02,1525.17) 1(198.02,1652.17) 1(198.02,1652.17) 1(235.02,164.17) 1(235.02,164.17) 1(237.02,320.17) 1(237.02,320.17) 1(237.02,1692.17) 1(237.02,1692.17) 1(237.02,1849.17) 1(237.02,1849.17) 1(237.02,1927.17) 1(237.02,1927.17) 1(829.02,1927.17) 1(829.02,1927.17) 1(829.02,1947.17) 1(829.02,1947.17) 1(1001.02,1928.17) 1(1001.02,1928.17) 1(1001.02,1946.17) 1(1001.02,1946.17) 1(1736.02,1928.17) 1(1736.02,1928.17) 1(1736.02,1946.17) 1(1736.02,1946.17) 1(1912.02,1928.17) 1(1912.02,1928.17) 1(1912.02,1948.17) 1(1912.02,1948.17) 1(2503.02,321.17) 1(2503.02,321.17) 1(2504.02,1693.17) 1(2504.02,1693.17) 1(2504.02,1850.17) 1(2504.02,1850.17) 1(2504.02,1928.17) 1(2504.02,1928.17) 1(2505.02,165.17) 1(2505.02,165.17) 1(2543.02,362.16) 1(2543.02,361.6) 1(2543.02,1653.17) 1(2543.02,1653.17) 1(2577.02,165.17) 1(2577.02,165.17) 1(2582.02,170.17) 1(2582.02,170.17) 1(2582.02,1948.17) 1(2582.02,1948.17)
  round 0.5 on Mech6: 1(160.02,846.17) 1(160.02,846.17) 1(160.02,1171.17) 1(160.02,1171.17) 1(161.02,1457.17) 1(161.02,1457.17) 1(161.02,1718.17) 1(161.02,1718.17) 1(162.02,301.17) 1(162.02,301.17) 1(162.02,562.17) 1(162.02,562.17) 1(170.02,1947.17) 1(170.02,1947.17) 1(194.02,846.17) 1(194.02,846.17) 1(194.02,1171.17) 1(194.02,1171.17) 1(195.02,1457.17) 1(195.02,1457.17) 1(195.02,1688.17) 1(195.02,1688.17) 1(195.02,1914.17) 1(195.02,1914.17) 1(196.02,331.17) 1(196.02,331.17) 1(196.02,562.17) 1(196.02,562.17) 1(367.02,1914.17) 1(367.02,1914.17) 1(367.02,1947.17) 1(367.02,1947.17) 1(651.02,1928.17) 1(651.02,1928.17) 1(651.02,1948.17) 1(651.02,1948.17) 1(830.02,1928.17) 1(830.02,1928.17) 1(830.02,1948.17) 1(830.02,1948.17) 1(1000.02,1928.17) 1(1000.02,1928.17) 1(1000.02,1946.17) 1(1000.02,1946.17) 1(1228.02,1928.17) 1(1228.02,1928.17) 1(1228.02,1946.17) 1(1228.02,1946.17) 1(1508.02,1928.17) 1(1508.02,1928.17) 1(1508.02,1946.17) 1(1508.02,1946.17) 1(1736.02,1928.17) 1(1736.02,1928.17) 1(1736.02,1946.17) 1(1736.02,1946.17) 1(1912.02,1928.17) 1(1912.02,1928.17) 1(1912.02,1948.17) 1(1912.02,1948.17) 1(2091.02,1928.17) 1(2091.02,1928.17) 1(2091.02,1948.17) 1(2091.02,1948.17) 1(2373.02,1913.17) 1(2373.02,1913.17) 1(2373.02,1946.17) 1(2373.02,1946.17) 1(2544.02,1453.17) 1(2544.02,1453.17) 1(2544.02,1684.17) 1(2544.02,1684.17) 1(2545.02,1913.17) 1(2545.02,1913.17) 1(2546.02,329.17) 1(2546.02,329.17) 1(2546.02,560.17) 1(2546.02,560.17) 1(2546.02,845.17) 1(2546.02,845.17) 1(2546.02,1170.17) 1(2546.02,1170.17) 1(2570.02,1946.17) 1(2570.02,1946.17) 1(2578.02,1453.17) 1(2578.02,1453.17) 1(2578.02,1714.17) 1(2578.02,1714.17) 1(2580.02,299.17) 1(2580.02,299.17) 1(2580.02,560.17) 1(2580.02,560.17) 1(2580.02,845.17) 1(2580.02,845.17) 1(2580.02,1170.17) 1(2580.02,1170.17)

## Nets (pads, with @x,y where several pads share a name; then routed paths per layer and width w, separated by ;. In a path a pad name is that pad's centre, name@x,y a point inside that pad or via, vN(x,y) a via of type N, cw(c..) or ccw(c..) an arc to the next point about the centre after c; other vN are vias at no path point)
+1V8: C217.2 C224.2 C226.2 C227.2 R51.2 R52.2 R55.2 U6.C4 U7.5 Y1.4
ADC_IN0: J5.26 U1.AG26
ADC_IN2: J5.28 U1.AG25
ADC_IN3: J5.30 U1.AG28
AVDD1V0_RGMII: C338.2 C339.2 C340.2 R112.2 U20.3 U20.9 U20.40
AVDD3V3_RGMII: C343.2 C344.2 C346.2 C347.2 R111.2 U20.6 U20.38 U20.41 U20.44 U20.45
CKXTAL1: C353.2 U20.42 Y4.1
CKXTAL2: R132.2 U20.43
CPU_B_SLEEP: U1.M27 U9.A1
DDR0_A0: U1.F2 U2.H2 U2.R2
DDR0_A1: U1.F1 U2.J2 U2.P2
DDR0_A2: U1.G1 U2.H9 U2.R9
DDR0_A3: U1.G2 U2.H10 U2.R10
DDR0_A4: U1.H2 U2.H11 U2.R11
DDR0_A5: U1.H1 U2.J11 U2.P11
DDR0_CKE0: U1.E1 U2.J4 U2.P4
DDR0_CKE1: U1.F5 U2.J5 U2.P5
DDR0_CLK1_N: U1.J5 U2.P9
DDR0_CLK1_P: U1.H5 U2.P8
DDR0_CLK_N: U1.J4 U2.J9
DDR0_CLK_P: U1.H4 U2.J8
DDR0_CS0N: U1.M6 U2.H4
DDR0_CS1N: U1.B1 U2.H3
DDR0_CS2N: U1.M5 U2.R4
DDR0_CS3N: U1.C2 U2.R3
DDR0_D0: U1.AB2 U2.B2
DDR0_D1: U1.AB1 U2.C2
DDR0_D2: U1.AA2 U2.E2
DDR0_D3: U1.AA1 U2.F2
DDR0_D4: U1.Y2 U2.F4
DDR0_D5: U1.Y1 U2.E4
DDR0_D6: U1.W1 U2.C4
DDR0_D7: U1.W2 U2.B4
DDR0_D8: U1.AF2 U2.B11
DDR0_D9: U1.AE2 U2.C11
DDR0_D10: U1.AF1 U2.E11
DDR0_D11: U1.AD2 U2.F11
DDR0_D12: U1.AE1 U2.F9
DDR0_D13: U1.AD1 U2.E9
DDR0_D14: U1.AC1 U2.C9
DDR0_D15: U1.AC2 U2.B9
DDR0_D16: U1.V1 U2.AA2
DDR0_D17: U1.V2 U2.Y2
DDR0_D18: U1.U1 U2.V2
DDR0_D19: U1.U2 U2.U2
DDR0_D20: U1.T1 U2.U4
DDR0_D21: U1.T2 U2.V4
DDR0_D22: U1.R2 U2.Y4
DDR0_D23: U1.R1 U2.AA4
DDR0_D24: U1.P1 U2.AA11
DDR0_D25: U1.P2 U2.Y11
DDR0_D26: U1.N1 U2.V11
DDR0_D27: U1.M1 U2.U11
DDR0_D28: U1.N2 U2.U9
DDR0_D29: U1.L1 U2.V9
DDR0_D30: U1.M2 U2.Y9
DDR0_D31: U1.L2 U2.AA9
DDR0_DM0: U1.Y5 U2.C3
DDR0_DM1: U1.AC5 U2.C10
DDR0_DM2: U1.U5 U2.Y3
DDR0_DM3: U1.P5 U2.Y10
DDR0_DQS0_N: U1.AA4 U2.E3
DDR0_DQS0_P: U1.Y4 U2.D3
DDR0_DQS1_N: U1.AD4 U2.E10